# Allegro board SDHCalFEB.brd (continued)
## Nets (continued)
ESD_SIGNAL12_ASIC_A2: C99.1 R96.2 U77.3(COM)
ESD_SIGNAL12_ASIC_A3: C186.1 R179.2 U142.3(COM)
ESD_SIGNAL12_ASIC_A4: C273.1 R262.2 U207.3(COM)
ESD_SIGNAL12_ASIC_B1: C360.1 R345.2 U272.3(COM)
ESD_SIGNAL12_ASIC_B5: C447.1 R429.2 U337.3(COM)
ESD_SIGNAL12_ASIC_B6: C534.1 R512.2 U402.3(COM)
ESD_SIGNAL12_ASIC_B7: C621.1 R595.2 U467.3(COM)
ESD_SIGNAL12_ASIC_C1: C708.1 R678.2 U532.3(COM)
ESD_SIGNAL12_ASIC_C2: C795.1 R762.2 U597.3(COM)
ESD_SIGNAL12_ASIC_C3: C882.1 R845.2 U662.3(COM)
ESD_SIGNAL12_ASIC_C4: C969.1 R928.2 U727.3(COM)
ESD_SIGNAL12_ASIC_D1: C1056.1 R1011.2 U792.3(COM)
ESD_SIGNAL12_ASIC_D2: C1143.1 R1095.2 U857.3(COM)
ESD_SIGNAL12_ASIC_D3: C1230.1 R1178.2 U922.3(COM)
ESD_SIGNAL12_ASIC_D4: C1317.1 R1261.2 U987.3(COM)
ESD_SIGNAL13_ASIC_A1: C13.1 R13.2 U13.3(COM)
ESD_SIGNAL13_ASIC_A2: C100.1 R97.2 U78.3(COM)
ESD_SIGNAL13_ASIC_A3: C187.1 R180.2 U143.3(COM)
ESD_SIGNAL13_ASIC_B1: C361.1 R346.2 U273.3(COM)
ESD_SIGNAL13_ASIC_B5: C448.1 R430.2 U338.3(COM)
ESD_SIGNAL13_ASIC_B6: C535.1 R513.2 U403.3(COM)
ESD_SIGNAL13_ASIC_C1: C709.1 R679.2 U533.3(COM)
ESD_SIGNAL13_ASIC_C2: C796.1 R763.2 U598.3(COM)
ESD_SIGNAL13_ASIC_C3: C883.1 R846.2 U663.3(COM)
ESD_SIGNAL13_ASIC_D1: C1057.1 R1012.2 U793.3(COM)
ESD_SIGNAL13_ASIC_D2: C1144.1 R1096.2 U858.3(COM)
ESD_SIGNAL13_ASIC_D3: C1231.1 R1179.2 U923.3(COM)
ESD_SIGNAL14_ASIC_A1: C14.1 R14.2 U14.3(COM)
ESD_SIGNAL14_ASIC_A2: C101.1 R98.2 U79.3(COM)
ESD_SIGNAL14_ASIC_A3: C188.1 R181.2 U144.3(COM)
ESD_SIGNAL14_ASIC_B1: C362.1 R347.2 U274.3(COM)
ESD_SIGNAL14_ASIC_B5: C449.1 R431.2 U339.3(COM)
ESD_SIGNAL14_ASIC_B6: C536.1 R514.2 U404.3(COM)
ESD_SIGNAL14_ASIC_C1: C710.1 R680.2 U534.3(COM)
ESD_SIGNAL14_ASIC_C2: C797.1 R764.2 U599.3(COM)
ESD_SIGNAL14_ASIC_C3: C884.1 R847.2 U664.3(COM)
ESD_SIGNAL14_ASIC_D1: C1058.1 R1013.2 U794.3(COM)
ESD_SIGNAL14_ASIC_D2: C1145.1 R1097.2 U859.3(COM)
ESD_SIGNAL14_ASIC_D3: C1232.1 R1180.2 U924.3(COM)
ESD_SIGNAL15_ASIC_A1: C15.1 R15.2 U15.3(COM)
ESD_SIGNAL15_ASIC_A2: C102.1 R99.2 U80.3(COM)
ESD_SIGNAL15_ASIC_A3: C189.1 R182.2 U145.3(COM)
ESD_SIGNAL15_ASIC_A4: C276.1 R265.2 U210.3(COM)
ESD_SIGNAL15_ASIC_B1: C363.1 R348.2 U275.3(COM)
ESD_SIGNAL15_ASIC_B5: C450.1 R432.2 U340.3(COM)
ESD_SIGNAL15_ASIC_B6: C537.1 R515.2 U405.3(COM)
ESD_SIGNAL15_ASIC_B7: C624.1 R598.2 U470.3(COM)
ESD_SIGNAL15_ASIC_C1: C711.1 R681.2 U535.3(COM)
ESD_SIGNAL15_ASIC_C2: C798.1 R765.2 U600.3(COM)
ESD_SIGNAL15_ASIC_C3: C885.1 R848.2 U665.3(COM)
ESD_SIGNAL15_ASIC_C4: C972.1 R931.2 U730.3(COM)
ESD_SIGNAL15_ASIC_D1: C1059.1 R1014.2 U795.3(COM)
ESD_SIGNAL15_ASIC_D2: C1146.1 R1098.2 U860.3(COM)
ESD_SIGNAL15_ASIC_D3: C1233.1 R1181.2 U925.3(COM)
ESD_SIGNAL15_ASIC_D4: C1320.1 R1264.2 U990.3(COM)
ESD_SIGNAL16_ASIC_A1: C16.1 R16.2 U16.3(COM)
ESD_SIGNAL16_ASIC_A2: C103.1 R100.2 U81.3(COM)
ESD_SIGNAL16_ASIC_A3: C190.1 R183.2 U146.3(COM)
ESD_SIGNAL16_ASIC_B1: C364.1 R349.2 U276.3(COM)
ESD_SIGNAL16_ASIC_B5: C451.1 R433.2 U341.3(COM)
ESD_SIGNAL16_ASIC_B6: C538.1 R516.2 U406.3(COM)
ESD_SIGNAL16_ASIC_C1: C712.1 R682.2 U536.3(COM)
ESD_SIGNAL16_ASIC_C2: C799.1 R766.2 U601.3(COM)
ESD_SIGNAL16_ASIC_C3: C886.1 R849.2 U666.3(COM)
ESD_SIGNAL16_ASIC_D1: C1060.1 R1015.2 U796.3(COM)
ESD_SIGNAL16_ASIC_D2: C1147.1 R1099.2 U861.3(COM)
ESD_SIGNAL16_ASIC_D3: C1234.1 R1182.2 U926.3(COM)
ESD_SIGNAL17_ASIC_A1: C17.1 R17.2 U17.3(COM)
ESD_SIGNAL17_ASIC_A2: C104.1 R101.2 U82.3(COM)
ESD_SIGNAL17_ASIC_A3: C191.1 R184.2 U147.3(COM)
ESD_SIGNAL17_ASIC_B1: C365.1 R350.2 U277.3(COM)
ESD_SIGNAL17_ASIC_B5: C452.1 R434.2 U342.3(COM)
ESD_SIGNAL17_ASIC_B6: C539.1 R517.2 U407.3(COM)
ESD_SIGNAL17_ASIC_C1: C713.1 R683.2 U537.3(COM)
ESD_SIGNAL17_ASIC_C2: C800.1 R767.2 U602.3(COM)
ESD_SIGNAL17_ASIC_C3: C887.1 R850.2 U667.3(COM)
ESD_SIGNAL17_ASIC_D1: C1061.1 R1016.2 U797.3(COM)
ESD_SIGNAL17_ASIC_D2: C1148.1 R1100.2 U862.3(COM)
ESD_SIGNAL17_ASIC_D3: C1235.1 R1183.2 U927.3(COM)
ESD_SIGNAL18_ASIC_A1: C18.1 R18.2 U18.3(COM)
ESD_SIGNAL18_ASIC_A2: C105.1 R102.2 U83.3(COM)
ESD_SIGNAL18_ASIC_A3: C192.1 R185.2 U148.3(COM)
ESD_SIGNAL18_ASIC_A4: C279.1 R268.2 U213.3(COM)
ESD_SIGNAL18_ASIC_B1: C366.1 R351.2 U278.3(COM)
ESD_SIGNAL18_ASIC_B5: C453.1 R435.2 U343.3(COM)
ESD_SIGNAL18_ASIC_B6: C540.1 R518.2 U408.3(COM)
ESD_SIGNAL18_ASIC_B7: C627.1 R601.2 U473.3(COM)
ESD_SIGNAL18_ASIC_C1: C714.1 R684.2 U538.3(COM)
ESD_SIGNAL18_ASIC_C2: C801.1 R768.2 U603.3(COM)
ESD_SIGNAL18_ASIC_C3: C888.1 R851.2 U668.3(COM)
ESD_SIGNAL18_ASIC_C4: C975.1 R934.2 U733.3(COM)
ESD_SIGNAL18_ASIC_D1: C1062.1 R1017.2 U798.3(COM)
ESD_SIGNAL18_ASIC_D2: C1149.1 R1101.2 U863.3(COM)
ESD_SIGNAL18_ASIC_D3: C1236.1 R1184.2 U928.3(COM)
ESD_SIGNAL18_ASIC_D4: C1323.1 R1267.2 U993.3(COM)
ESD_SIGNAL19_ASIC_A1: C19.1 R19.2 U19.3(COM)
ESD_SIGNAL19_ASIC_A2: C106.1 R103.2 U84.3(COM)
ESD_SIGNAL19_ASIC_A3: C193.1 R186.2 U149.3(COM)
ESD_SIGNAL19_ASIC_B1: C367.1 R352.2 U279.3(COM)
ESD_SIGNAL19_ASIC_B5: C454.1 R436.2 U344.3(COM)
ESD_SIGNAL19_ASIC_B6: C541.1 R519.2 U409.3(COM)
ESD_SIGNAL19_ASIC_C1: C715.1 R685.2 U539.3(COM)
ESD_SIGNAL19_ASIC_C2: C802.1 R769.2 U604.3(COM)
ESD_SIGNAL19_ASIC_C3: C889.1 R852.2 U669.3(COM)
ESD_SIGNAL19_ASIC_D1: C1063.1 R1018.2 U799.3(COM)
ESD_SIGNAL19_ASIC_D2: C1150.1 R1102.2 U864.3(COM)
ESD_SIGNAL19_ASIC_D3: C1237.1 R1185.2 U929.3(COM)
ESD_SIGNAL20_ASIC_A1: C20.1 R20.2 U20.3(COM)
ESD_SIGNAL20_ASIC_A2: C107.1 R104.2 U85.3(COM)
ESD_SIGNAL20_ASIC_A3: C194.1 R187.2 U150.3(COM)
ESD_SIGNAL20_ASIC_B1: C368.1 R353.2 U280.3(COM)
ESD_SIGNAL20_ASIC_B5: C455.1 R437.2 U345.3(COM)
ESD_SIGNAL20_ASIC_B6: C542.1 R520.2 U410.3(COM)
ESD_SIGNAL20_ASIC_C1: C716.1 R686.2 U540.3(COM)
ESD_SIGNAL20_ASIC_C2: C803.1 R770.2 U605.3(COM)
ESD_SIGNAL20_ASIC_C3: C890.1 R853.2 U670.3(COM)
ESD_SIGNAL20_ASIC_D1: C1064.1 R1019.2 U800.3(COM)
ESD_SIGNAL20_ASIC_D2: C1151.1 R1103.2 U865.3(COM)
ESD_SIGNAL20_ASIC_D3: C1238.1 R1186.2 U930.3(COM)
ESD_SIGNAL21_ASIC_A1: C21.1 R21.2 U21.3(COM)
ESD_SIGNAL21_ASIC_A2: C108.1 R105.2 U86.3(COM)
ESD_SIGNAL21_ASIC_A3: C195.1 R188.2 U151.3(COM)
ESD_SIGNAL21_ASIC_A4: C282.1 R271.2 U216.3(COM)
ESD_SIGNAL21_ASIC_B1: C369.1 R354.2 U281.3(COM)
ESD_SIGNAL21_ASIC_B5: C456.1 R438.2 U346.3(COM)
ESD_SIGNAL21_ASIC_B6: C543.1 R521.2 U411.3(COM)
ESD_SIGNAL21_ASIC_B7: C630.1 R604.2 U476.3(COM)
ESD_SIGNAL21_ASIC_C1: C717.1 R687.2 U541.3(COM)
ESD_SIGNAL21_ASIC_C2: C804.1 R771.2 U606.3(COM)
ESD_SIGNAL21_ASIC_C3: C891.1 R854.2 U671.3(COM)
ESD_SIGNAL21_ASIC_C4: C978.1 R937.2 U736.3(COM)
ESD_SIGNAL21_ASIC_D1: C1065.1 R1020.2 U801.3(COM)
ESD_SIGNAL21_ASIC_D2: C1152.1 R1104.2 U866.3(COM)
ESD_SIGNAL21_ASIC_D3: C1239.1 R1187.2 U931.3(COM)
ESD_SIGNAL21_ASIC_D4: C1326.1 R1270.2 U996.3(COM)
ESD_SIGNAL22_ASIC_A1: C22.1 R22.2 U22.3(COM)
ESD_SIGNAL22_ASIC_A2: C109.1 R106.2 U87.3(COM)
ESD_SIGNAL22_ASIC_A3: C196.1 R189.2 U152.3(COM)
ESD_SIGNAL22_ASIC_A4: C283.1 R272.2 U217.3(COM)
ESD_SIGNAL22_ASIC_B1: C370.1 R355.2 U282.3(COM)
ESD_SIGNAL22_ASIC_B5: C457.1 R439.2 U347.3(COM)
ESD_SIGNAL22_ASIC_B6: C544.1 R522.2 U412.3(COM)
ESD_SIGNAL22_ASIC_B7: C631.1 R605.2 U477.3(COM)
ESD_SIGNAL22_ASIC_C1: C718.1 R688.2 U542.3(COM)
ESD_SIGNAL22_ASIC_C2: C805.1 R772.2 U607.3(COM)
ESD_SIGNAL22_ASIC_C3: C892.1 R855.2 U672.3(COM)
ESD_SIGNAL22_ASIC_C4: C979.1 R938.2 U737.3(COM)
ESD_SIGNAL22_ASIC_D1: C1066.1 R1021.2 U802.3(COM)
ESD_SIGNAL22_ASIC_D2: C1153.1 R1105.2 U867.3(COM)
ESD_SIGNAL22_ASIC_D3: C1240.1 R1188.2 U932.3(COM)
ESD_SIGNAL22_ASIC_D4: C1327.1 R1271.2 U997.3(COM)
ESD_SIGNAL23_ASIC_A1: C23.1 R23.2 U23.3(COM)
ESD_SIGNAL23_ASIC_A2: C110.1 R107.2 U88.3(COM)
ESD_SIGNAL23_ASIC_A3: C197.1 R190.2 U153.3(COM)
ESD_SIGNAL23_ASIC_A4: C284.1 R273.2 U218.3(COM)
ESD_SIGNAL23_ASIC_B1: C371.1 R356.2 U283.3(COM)
ESD_SIGNAL23_ASIC_B5: C458.1 R440.2 U348.3(COM)
ESD_SIGNAL23_ASIC_B6: C545.1 R523.2 U413.3(COM)
ESD_SIGNAL23_ASIC_B7: C632.1 R606.2 U478.3(COM)
ESD_SIGNAL23_ASIC_C1: C719.1 R689.2 U543.3(COM)
ESD_SIGNAL23_ASIC_C2: C806.1 R773.2 U608.3(COM)
ESD_SIGNAL23_ASIC_C3: C893.1 R856.2 U673.3(COM)
ESD_SIGNAL23_ASIC_C4: C980.1 R939.2 U738.3(COM)
ESD_SIGNAL23_ASIC_D1: C1067.1 R1022.2 U803.3(COM)
ESD_SIGNAL23_ASIC_D2: C1154.1 R1106.2 U868.3(COM)
ESD_SIGNAL23_ASIC_D3: C1241.1 R1189.2 U933.3(COM)
ESD_SIGNAL23_ASIC_D4: C1328.1 R1272.2 U998.3(COM)
ESD_SIGNAL24_ASIC_A1: C24.1 R24.2 U24.3(COM)
ESD_SIGNAL24_ASIC_A2: C111.1 R108.2 U89.3(COM)
ESD_SIGNAL24_ASIC_A3: C198.1 R191.2 U154.3(COM)
ESD_SIGNAL24_ASIC_A4: C285.1 R274.2 U219.3(COM)
ESD_SIGNAL24_ASIC_B1: C372.1 R357.2 U284.3(COM)
ESD_SIGNAL24_ASIC_B5: C459.1 R441.2 U349.3(COM)
ESD_SIGNAL24_ASIC_B6: C546.1 R524.2 U414.3(COM)
ESD_SIGNAL24_ASIC_B7: C633.1 R607.2 U479.3(COM)
ESD_SIGNAL24_ASIC_C1: C720.1 R690.2 U544.3(COM)
ESD_SIGNAL24_ASIC_C2: C807.1 R774.2 U609.3(COM)
ESD_SIGNAL24_ASIC_C3: C894.1 R857.2 U674.3(COM)
ESD_SIGNAL24_ASIC_C4: C981.1 R940.2 U739.3(COM)
ESD_SIGNAL24_ASIC_D1: C1068.1 R1023.2 U804.3(COM)
ESD_SIGNAL24_ASIC_D2: C1155.1 R1107.2 U869.3(COM)
ESD_SIGNAL24_ASIC_D3: C1242.1 R1190.2 U934.3(COM)
ESD_SIGNAL24_ASIC_D4: C1329.1 R1273.2 U999.3(COM)
ESD_SIGNAL25_ASIC_A1: C25.1 R25.2 U25.3(COM)
ESD_SIGNAL25_ASIC_A2: C112.1 R109.2 U90.3(COM)
ESD_SIGNAL25_ASIC_A3: C199.1 R192.2 U155.3(COM)
ESD_SIGNAL25_ASIC_A4: C286.1 R275.2 U220.3(COM)
ESD_SIGNAL25_ASIC_B1: C373.1 R358.2 U285.3(COM)
ESD_SIGNAL25_ASIC_B5: C460.1 R442.2 U350.3(COM)
ESD_SIGNAL25_ASIC_B6: C547.1 R525.2 U415.3(COM)
ESD_SIGNAL25_ASIC_B7: C634.1 R608.2 U480.3(COM)
ESD_SIGNAL25_ASIC_C1: C721.1 R691.2 U545.3(COM)
ESD_SIGNAL25_ASIC_C2: C808.1 R775.2 U610.3(COM)
ESD_SIGNAL25_ASIC_C3: C895.1 R858.2 U675.3(COM)
ESD_SIGNAL25_ASIC_C4: C982.1 R941.2 U740.3(COM)
ESD_SIGNAL25_ASIC_D1: C1069.1 R1024.2 U805.3(COM)
ESD_SIGNAL25_ASIC_D2: C1156.1 R1108.2 U870.3(COM)
ESD_SIGNAL25_ASIC_D3: C1243.1 R1191.2 U935.3(COM)
ESD_SIGNAL25_ASIC_D4: C1330.1 R1274.2 U1000.3(COM)
ESD_SIGNAL26_ASIC_A1: C26.1 R26.2 U26.3(COM)
ESD_SIGNAL26_ASIC_A2: C113.1 R110.2 U91.3(COM)
ESD_SIGNAL26_ASIC_A3: C200.1 R193.2 U156.3(COM)
ESD_SIGNAL26_ASIC_A4: C287.1 R276.2 U221.3(COM)
ESD_SIGNAL26_ASIC_B1: C374.1 R359.2 U286.3(COM)
ESD_SIGNAL26_ASIC_B5: C461.1 R443.2 U351.3(COM)
ESD_SIGNAL26_ASIC_B6: C548.1 R526.2 U416.3(COM)
ESD_SIGNAL26_ASIC_B7: C635.1 R609.2 U481.3(COM)
ESD_SIGNAL26_ASIC_C1: C722.1 R692.2 U546.3(COM)
ESD_SIGNAL26_ASIC_C2: C809.1 R776.2 U611.3(COM)
ESD_SIGNAL26_ASIC_C3: C896.1 R859.2 U676.3(COM)
ESD_SIGNAL26_ASIC_C4: C983.1 R942.2 U741.3(COM)
ESD_SIGNAL26_ASIC_D1: C1070.1 R1025.2 U806.3(COM)
ESD_SIGNAL26_ASIC_D2: C1157.1 R1109.2 U871.3(COM)
ESD_SIGNAL26_ASIC_D3: C1244.1 R1192.2 U936.3(COM)
ESD_SIGNAL26_ASIC_D4: C1331.1 R1275.2 U1001.3(COM)
ESD_SIGNAL27_ASIC_A1: C27.1 R27.2 U27.3(COM)
ESD_SIGNAL27_ASIC_A2: C114.1 R111.2 U92.3(COM)
ESD_SIGNAL27_ASIC_A3: C201.1 R194.2 U157.3(COM)
ESD_SIGNAL27_ASIC_A4: C288.1 R277.2 U222.3(COM)
ESD_SIGNAL27_ASIC_B1: C375.1 R360.2 U287.3(COM)
ESD_SIGNAL27_ASIC_B5: C462.1 R444.2 U352.3(COM)
ESD_SIGNAL27_ASIC_B6: C549.1 R527.2 U417.3(COM)
ESD_SIGNAL27_ASIC_B7: C636.1 R610.2 U482.3(COM)
ESD_SIGNAL27_ASIC_C1: C723.1 R693.2 U547.3(COM)
ESD_SIGNAL27_ASIC_C2: C810.1 R777.2 U612.3(COM)
ESD_SIGNAL27_ASIC_C3: C897.1 R860.2 U677.3(COM)
ESD_SIGNAL27_ASIC_C4: C984.1 R943.2 U742.3(COM)
ESD_SIGNAL27_ASIC_D1: C1071.1 R1026.2 U807.3(COM)
ESD_SIGNAL27_ASIC_D2: C1158.1 R1110.2 U872.3(COM)
ESD_SIGNAL27_ASIC_D3: C1245.1 R1193.2 U937.3(COM)
ESD_SIGNAL27_ASIC_D4: C1332.1 R1276.2 U1002.3(COM)
ESD_SIGNAL28_ASIC_A1: C28.1 R28.2 U28.3(COM)
ESD_SIGNAL28_ASIC_A2: C115.1 R112.2 U93.3(COM)
ESD_SIGNAL28_ASIC_A3: C202.1 R195.2 U158.3(COM)
ESD_SIGNAL28_ASIC_A4: C289.1 R278.2 U223.3(COM)
ESD_SIGNAL28_ASIC_B1: C376.1 R361.2 U288.3(COM)
ESD_SIGNAL28_ASIC_B5: C463.1 R445.2 U353.3(COM)
ESD_SIGNAL28_ASIC_B6: C550.1 R528.2 U418.3(COM)
ESD_SIGNAL28_ASIC_B7: C637.1 R611.2 U483.3(COM)
ESD_SIGNAL28_ASIC_C1: C724.1 R694.2 U548.3(COM)
ESD_SIGNAL28_ASIC_C2: C811.1 R778.2 U613.3(COM)
ESD_SIGNAL28_ASIC_C3: C898.1 R861.2 U678.3(COM)
ESD_SIGNAL28_ASIC_C4: C985.1 R944.2 U743.3(COM)
ESD_SIGNAL28_ASIC_D1: C1072.1 R1027.2 U808.3(COM)
ESD_SIGNAL28_ASIC_D2: C1159.1 R1111.2 U873.3(COM)
ESD_SIGNAL28_ASIC_D3: C1246.1 R1194.2 U938.3(COM)
ESD_SIGNAL28_ASIC_D4: C1333.1 R1277.2 U1003.3(COM)
ESD_SIGNAL29_ASIC_A1: C29.1 R29.2 U29.3(COM)
ESD_SIGNAL29_ASIC_A2: C116.1 R113.2 U94.3(COM)
ESD_SIGNAL29_ASIC_A3: C203.1 R196.2 U159.3(COM)
ESD_SIGNAL29_ASIC_A4: C290.1 R279.2 U224.3(COM)
ESD_SIGNAL29_ASIC_B1: C377.1 R362.2 U289.3(COM)
ESD_SIGNAL29_ASIC_B5: C464.1 R446.2 U354.3(COM)
ESD_SIGNAL29_ASIC_B6: C551.1 R529.2 U419.3(COM)
ESD_SIGNAL29_ASIC_B7: C638.1 R612.2 U484.3(COM)
ESD_SIGNAL29_ASIC_C1: C725.1 R695.2 U549.3(COM)
ESD_SIGNAL29_ASIC_C2: C812.1 R779.2 U614.3(COM)
ESD_SIGNAL29_ASIC_C3: C899.1 R862.2 U679.3(COM)
ESD_SIGNAL29_ASIC_C4: C986.1 R945.2 U744.3(COM)
ESD_SIGNAL29_ASIC_D1: C1073.1 R1028.2 U809.3(COM)
ESD_SIGNAL29_ASIC_D2: C1160.1 R1112.2 U874.3(COM)
ESD_SIGNAL29_ASIC_D3: C1247.1 R1195.2 U939.3(COM)
ESD_SIGNAL29_ASIC_D4: C1334.1 R1278.2 U1004.3(COM)
ESD_SIGNAL30_ASIC_A1: C30.1 R30.2 U30.3(COM)
ESD_SIGNAL30_ASIC_A2: C117.1 R114.2 U95.3(COM)
ESD_SIGNAL30_ASIC_A3: C204.1 R197.2 U160.3(COM)
ESD_SIGNAL30_ASIC_B1: C378.1 R363.2 U290.3(COM)
ESD_SIGNAL30_ASIC_B5: C465.1 R447.2 U355.3(COM)
ESD_SIGNAL30_ASIC_B6: C552.1 R530.2 U420.3(COM)
ESD_SIGNAL30_ASIC_C1: C726.1 R696.2 U550.3(COM)
ESD_SIGNAL30_ASIC_C2: C813.1 R780.2 U615.3(COM)
ESD_SIGNAL30_ASIC_C3: C900.1 R863.2 U680.3(COM)
ESD_SIGNAL30_ASIC_D1: C1074.1 R1029.2 U810.3(COM)
ESD_SIGNAL30_ASIC_D2: C1161.1 R1113.2 U875.3(COM)
ESD_SIGNAL30_ASIC_D3: C1248.1 R1196.2 U940.3(COM)
ESD_SIGNAL31_ASIC_A1: C31.1 R31.2 U31.3(COM)
ESD_SIGNAL31_ASIC_A2: C118.1 R115.2 U96.3(COM)
ESD_SIGNAL31_ASIC_A3: C205.1 R198.2 U161.3(COM)
ESD_SIGNAL31_ASIC_A4: C292.1 R281.2 U226.3(COM)
ESD_SIGNAL31_ASIC_B1: C379.1 R364.2 U291.3(COM)
ESD_SIGNAL31_ASIC_B5: C466.1 R448.2 U356.3(COM)
ESD_SIGNAL31_ASIC_B6: C553.1 R531.2 U421.3(COM)
ESD_SIGNAL31_ASIC_B7: C640.1 R614.2 U486.3(COM)
ESD_SIGNAL31_ASIC_C1: C727.1 R697.2 U551.3(COM)
ESD_SIGNAL31_ASIC_C2: C814.1 R781.2 U616.3(COM)
ESD_SIGNAL31_ASIC_C3: C901.1 R864.2 U681.3(COM)
ESD_SIGNAL31_ASIC_C4: C988.1 R947.2 U746.3(COM)
ESD_SIGNAL31_ASIC_D1: C1075.1 R1030.2 U811.3(COM)
ESD_SIGNAL31_ASIC_D2: C1162.1 R1114.2 U876.3(COM)
ESD_SIGNAL31_ASIC_D3: C1249.1 R1197.2 U941.3(COM)
ESD_SIGNAL31_ASIC_D4: C1336.1 R1280.2 U1006.3(COM)
ESD_SIGNAL32_ASIC_A1: C32.1 R32.2 U32.3(COM)
ESD_SIGNAL32_ASIC_A2: C119.1 R116.2 U97.3(COM)
ESD_SIGNAL32_ASIC_A3: C206.1 R199.2 U162.3(COM)
ESD_SIGNAL32_ASIC_B1: C380.1 R365.2 U292.3(COM)
ESD_SIGNAL32_ASIC_B5: C467.1 R449.2 U357.3(COM)
ESD_SIGNAL32_ASIC_B6: C554.1 R532.2 U422.3(COM)
ESD_SIGNAL32_ASIC_C1: C728.1 R698.2 U552.3(COM)
ESD_SIGNAL32_ASIC_C2: C815.1 R782.2 U617.3(COM)
ESD_SIGNAL32_ASIC_C3: C902.1 R865.2 U682.3(COM)
ESD_SIGNAL32_ASIC_D1: C1076.1 R1031.2 U812.3(COM)
ESD_SIGNAL32_ASIC_D2: C1163.1 R1115.2 U877.3(COM)
ESD_SIGNAL32_ASIC_D3: C1250.1 R1198.2 U942.3(COM)
ESD_SIGNAL33_ASIC_A1: C33.1 R33.2 U33.3(COM)
ESD_SIGNAL33_ASIC_A2: C120.1 R117.2 U98.3(COM)
ESD_SIGNAL33_ASIC_A3: C207.1 R200.2 U163.3(COM)
ESD_SIGNAL33_ASIC_B1: C381.1 R366.2 U293.3(COM)
ESD_SIGNAL33_ASIC_B5: C468.1 R450.2 U358.3(COM)
ESD_SIGNAL33_ASIC_B6: C555.1 R533.2 U423.3(COM)
ESD_SIGNAL33_ASIC_C1: C729.1 R699.2 U553.3(COM)
ESD_SIGNAL33_ASIC_C2: C816.1 R783.2 U618.3(COM)
ESD_SIGNAL33_ASIC_C3: C903.1 R866.2 U683.3(COM)
ESD_SIGNAL33_ASIC_D1: C1077.1 R1032.2 U813.3(COM)
ESD_SIGNAL33_ASIC_D2: C1164.1 R1116.2 U878.3(COM)
ESD_SIGNAL33_ASIC_D3: C1251.1 R1199.2 U943.3(COM)
ESD_SIGNAL34_ASIC_A1: C34.1 R34.2 U34.3(COM)
ESD_SIGNAL34_ASIC_A2: C121.1 R118.2 U99.3(COM)
ESD_SIGNAL34_ASIC_A3: C208.1 R201.2 U164.3(COM)
ESD_SIGNAL34_ASIC_A4: C295.1 R284.2 U229.3(COM)
ESD_SIGNAL34_ASIC_B1: C382.1 R367.2 U294.3(COM)
ESD_SIGNAL34_ASIC_B5: C469.1 R451.2 U359.3(COM)
ESD_SIGNAL34_ASIC_B6: C556.1 R534.2 U424.3(COM)
ESD_SIGNAL34_ASIC_B7: C643.1 R617.2 U489.3(COM)
ESD_SIGNAL34_ASIC_C1: C730.1 R700.2 U554.3(COM)
ESD_SIGNAL34_ASIC_C2: C817.1 R784.2 U619.3(COM)
ESD_SIGNAL34_ASIC_C3: C904.1 R867.2 U684.3(COM)
ESD_SIGNAL34_ASIC_C4: C991.1 R950.2 U749.3(COM)
ESD_SIGNAL35_ASIC_A1: C35.1 R35.2 U35.3(COM)
ESD_SIGNAL35_ASIC_A2: C122.1 R119.2 U100.3(COM)
ESD_SIGNAL35_ASIC_A3: C209.1 R202.2 U165.3(COM)
ESD_SIGNAL35_ASIC_B1: C383.1 R368.2 U295.3(COM)
ESD_SIGNAL35_ASIC_B5: C470.1 R452.2 U360.3(COM)
ESD_SIGNAL35_ASIC_B6: C557.1 R535.2 U425.3(COM)
ESD_SIGNAL35_ASIC_C1: C731.1 R701.2 U555.3(COM)
ESD_SIGNAL35_ASIC_C2: C818.1 R785.2 U620.3(COM)
ESD_SIGNAL35_ASIC_C3: C905.1 R868.2 U685.3(COM)
ESD_SIGNAL35_ASIC_D1: C1079.1 R1034.2 U815.3(COM)
ESD_SIGNAL35_ASIC_D2: C1166.1 R1118.2 U880.3(COM)
ESD_SIGNAL35_ASIC_D3: C1253.1 R1201.2 U945.3(COM)
ESD_SIGNAL35_ASIC_D4: C1340.1 R1284.2 U1010.3(COM)
ESD_SIGNAL36_ASIC_A1: C36.1 R36.2 U36.3(COM)
ESD_SIGNAL36_ASIC_A2: C123.1 R120.2 U101.3(COM)
ESD_SIGNAL36_ASIC_A3: C210.1 R203.2 U166.3(COM)
ESD_SIGNAL36_ASIC_A4: C297.1 R286.2 U231.3(COM)
ESD_SIGNAL36_ASIC_B1: C384.1 R369.2 U296.3(COM)
ESD_SIGNAL36_ASIC_B5: C471.1 R453.2 U361.3(COM)
ESD_SIGNAL36_ASIC_B6: C558.1 R536.2 U426.3(COM)
ESD_SIGNAL36_ASIC_B7: C645.1 R619.2 U491.3(COM)
ESD_SIGNAL36_ASIC_C1: C732.1 R702.2 U556.3(COM)
ESD_SIGNAL36_ASIC_C2: C819.1 R786.2 U621.3(COM)
ESD_SIGNAL36_ASIC_C3: C906.1 R869.2 U686.3(COM)
ESD_SIGNAL36_ASIC_C4: C993.1 R952.2 U751.3(COM)
ESD_SIGNAL37_ASIC_A1: C37.1 R37.2 U37.3(COM)
ESD_SIGNAL37_ASIC_A2: C124.1 R121.2 U102.3(COM)
ESD_SIGNAL37_ASIC_A3: C211.1 R204.2 U167.3(COM)
ESD_SIGNAL37_ASIC_A4: C298.1 R287.2 U232.3(COM)
ESD_SIGNAL37_ASIC_B1: C385.1 R370.2 U297.3(COM)
ESD_SIGNAL37_ASIC_B5: C472.1 R454.2 U362.3(COM)
ESD_SIGNAL37_ASIC_B6: C559.1 R537.2 U427.3(COM)
ESD_SIGNAL37_ASIC_B7: C646.1 R620.2 U492.3(COM)
ESD_SIGNAL37_ASIC_C1: C733.1 R703.2 U557.3(COM)
ESD_SIGNAL37_ASIC_C2: C820.1 R787.2 U622.3(COM)
ESD_SIGNAL37_ASIC_C3: C907.1 R870.2 U687.3(COM)
ESD_SIGNAL37_ASIC_C4: C994.1 R953.2 U752.3(COM)
ESD_SIGNAL38_ASIC_A1: C38.1 R38.2 U38.3(COM)
ESD_SIGNAL38_ASIC_A2: C125.1 R122.2 U103.3(COM)
ESD_SIGNAL38_ASIC_A3: C212.1 R205.2 U168.3(COM)
ESD_SIGNAL38_ASIC_A4: C299.1 R288.2 U233.3(COM)
ESD_SIGNAL38_ASIC_B1: C386.1 R371.2 U298.3(COM)
ESD_SIGNAL38_ASIC_B5: C473.1 R455.2 U363.3(COM)
ESD_SIGNAL38_ASIC_B6: C560.1 R538.2 U428.3(COM)
ESD_SIGNAL38_ASIC_B7: C647.1 R621.2 U493.3(COM)
ESD_SIGNAL38_ASIC_C1: C734.1 R704.2 U558.3(COM)
ESD_SIGNAL38_ASIC_C2: C821.1 R788.2 U623.3(COM)
ESD_SIGNAL38_ASIC_C3: C908.1 R871.2 U688.3(COM)
ESD_SIGNAL38_ASIC_C4: C995.1 R954.2 U753.3(COM)
ESD_SIGNAL39_ASIC_A1: C39.1 R39.2 U39.3(COM)
ESD_SIGNAL39_ASIC_A2: C126.1 R123.2 U104.3(COM)
ESD_SIGNAL39_ASIC_A3: C213.1 R206.2 U169.3(COM)
ESD_SIGNAL39_ASIC_A4: C300.1 R289.2 U234.3(COM)
ESD_SIGNAL39_ASIC_B1: C387.1 R372.2 U299.3(COM)
ESD_SIGNAL39_ASIC_B5: C474.1 R456.2 U364.3(COM)
ESD_SIGNAL39_ASIC_B6: C561.1 R539.2 U429.3(COM)
ESD_SIGNAL39_ASIC_B7: C648.1 R622.2 U494.3(COM)
ESD_SIGNAL39_ASIC_C1: C735.1 R705.2 U559.3(COM)
ESD_SIGNAL39_ASIC_C2: C822.1 R789.2 U624.3(COM)
ESD_SIGNAL39_ASIC_C3: C909.1 R872.2 U689.3(COM)
ESD_SIGNAL39_ASIC_C4: C996.1 R955.2 U754.3(COM)
ESD_SIGNAL40_ASIC_A1: C40.1 R40.2 U40.3(COM)
ESD_SIGNAL40_ASIC_A2: C127.1 R124.2 U105.3(COM)
ESD_SIGNAL40_ASIC_A3: C214.1 R207.2 U170.3(COM)
ESD_SIGNAL40_ASIC_A4: C301.1 R290.2 U235.3(COM)
ESD_SIGNAL40_ASIC_B1: C388.1 R373.2 U300.3(COM)
ESD_SIGNAL40_ASIC_B5: C475.1 R457.2 U365.3(COM)
ESD_SIGNAL40_ASIC_B6: C562.1 R540.2 U430.3(COM)
ESD_SIGNAL40_ASIC_B7: C649.1 R623.2 U495.3(COM)
ESD_SIGNAL40_ASIC_C1: C736.1 R706.2 U560.3(COM)
ESD_SIGNAL40_ASIC_C2: C823.1 R790.2 U625.3(COM)
ESD_SIGNAL40_ASIC_C3: C910.1 R873.2 U690.3(COM)
ESD_SIGNAL40_ASIC_C4: C997.1 R956.2 U755.3(COM)
ESD_SIGNAL40_ASIC_D1: C1084.1 R1039.2 U820.3(COM)
ESD_SIGNAL40_ASIC_D2: C1171.1 R1123.2 U885.3(COM)
ESD_SIGNAL40_ASIC_D3: C1258.1 R1206.2 U950.3(COM)
ESD_SIGNAL41_ASIC_A1: C41.1 R41.2 U41.3(COM)
ESD_SIGNAL41_ASIC_A2: C128.1 R125.2 U106.3(COM)
ESD_SIGNAL41_ASIC_A3: C215.1 R208.2 U171.3(COM)
ESD_SIGNAL41_ASIC_B1: C389.1 R374.2 U301.3(COM)
ESD_SIGNAL41_ASIC_B5: C476.1 R458.2 U366.3(COM)
ESD_SIGNAL41_ASIC_B6: C563.1 R541.2 U431.3(COM)
ESD_SIGNAL41_ASIC_C1: C737.1 R707.2 U561.3(COM)
ESD_SIGNAL41_ASIC_C2: C824.1 R791.2 U626.3(COM)
ESD_SIGNAL41_ASIC_C3: C911.1 R874.2 U691.3(COM)
ESD_SIGNAL41_ASIC_D1: C1085.1 R1040.2 U821.3(COM)
ESD_SIGNAL41_ASIC_D2: C1172.1 R1124.2 U886.3(COM)
ESD_SIGNAL41_ASIC_D3: C1259.1 R1207.2 U951.3(COM)
ESD_SIGNAL42_ASIC_A1: C42.1 R42.2 U42.3(COM)
ESD_SIGNAL42_ASIC_A2: C129.1 R126.2 U107.3(COM)
ESD_SIGNAL42_ASIC_A3: C216.1 R209.2 U172.3(COM)
ESD_SIGNAL42_ASIC_A4: C303.1 R292.2 U237.3(COM)
ESD_SIGNAL42_ASIC_B1: C390.1 R375.2 U302.3(COM)
ESD_SIGNAL42_ASIC_B5: C477.1 R459.2 U367.3(COM)
ESD_SIGNAL42_ASIC_B6: C564.1 R542.2 U432.3(COM)
ESD_SIGNAL42_ASIC_B7: C651.1 R625.2 U497.3(COM)
ESD_SIGNAL42_ASIC_C1: C738.1 R708.2 U562.3(COM)
ESD_SIGNAL42_ASIC_C2: C825.1 R792.2 U627.3(COM)
ESD_SIGNAL42_ASIC_C3: C912.1 R875.2 U692.3(COM)
ESD_SIGNAL42_ASIC_C4: C999.1 R958.2 U757.3(COM)
ESD_SIGNAL43_ASIC_A1: C43.1 R43.2 U43.3(COM)
ESD_SIGNAL43_ASIC_A2: C130.1 R127.2 U108.3(COM)
ESD_SIGNAL43_ASIC_A3: C217.1 R210.2 U173.3(COM)
ESD_SIGNAL43_ASIC_B1: C391.1 R376.2 U303.3(COM)
ESD_SIGNAL43_ASIC_B5: C478.1 R460.2 U368.3(COM)
ESD_SIGNAL43_ASIC_B6: C565.1 R543.2 U433.3(COM)
ESD_SIGNAL43_ASIC_C1: C739.1 R709.2 U563.3(COM)
ESD_SIGNAL43_ASIC_C2: C826.1 R793.2 U628.3(COM)
ESD_SIGNAL43_ASIC_C3: C913.1 R876.2 U693.3(COM)
ESD_SIGNAL44_ASIC_A1: C44.1 R44.2 U44.3(COM)
ESD_SIGNAL44_ASIC_A2: C131.1 R128.2 U109.3(COM)
ESD_SIGNAL44_ASIC_A3: C218.1 R211.2 U174.3(COM)
ESD_SIGNAL44_ASIC_B1: C392.1 R377.2 U304.3(COM)
ESD_SIGNAL44_ASIC_B5: C479.1 R461.2 U369.3(COM)
ESD_SIGNAL44_ASIC_B6: C566.1 R544.2 U434.3(COM)
ESD_SIGNAL44_ASIC_C1: C740.1 R710.2 U564.3(COM)
ESD_SIGNAL44_ASIC_C2: C827.1 R794.2 U629.3(COM)
ESD_SIGNAL44_ASIC_C3: C914.1 R877.2 U694.3(COM)
ESD_SIGNAL44_ASIC_D1: C1088.1 R1043.2 U824.3(COM)
ESD_SIGNAL44_ASIC_D2: C1175.1 R1127.2 U889.3(COM)
ESD_SIGNAL44_ASIC_D3: C1262.1 R1210.2 U954.3(COM)
ESD_SIGNAL45_ASIC_A1: C45.1 R45.2 U45.3(COM)
ESD_SIGNAL45_ASIC_A2: C132.1 R129.2 U110.3(COM)
ESD_SIGNAL45_ASIC_A3: C219.1 R212.2 U175.3(COM)
ESD_SIGNAL45_ASIC_A4: C306.1 R295.2 U240.3(COM)
ESD_SIGNAL45_ASIC_B1: C393.1 R378.2 U305.3(COM)
ESD_SIGNAL45_ASIC_B5: C480.1 R462.2 U370.3(COM)
ESD_SIGNAL45_ASIC_B6: C567.1 R545.2 U435.3(COM)
ESD_SIGNAL45_ASIC_B7: C654.1 R628.2 U500.3(COM)
ESD_SIGNAL45_ASIC_C1: C741.1 R711.2 U565.3(COM)
ESD_SIGNAL45_ASIC_C2: C828.1 R795.2 U630.3(COM)
ESD_SIGNAL45_ASIC_C3: C915.1 R878.2 U695.3(COM)
ESD_SIGNAL45_ASIC_C4: C1002.1 R961.2 U760.3(COM)
ESD_SIGNAL46_ASIC_A1: C46.1 R46.2 U46.3(COM)
ESD_SIGNAL46_ASIC_A2: C133.1 R130.2 U111.3(COM)
ESD_SIGNAL46_ASIC_A3: C220.1 R213.2 U176.3(COM)
ESD_SIGNAL46_ASIC_B1: C394.1 R379.2 U306.3(COM)
ESD_SIGNAL46_ASIC_B5: C481.1 R463.2 U371.3(COM)
ESD_SIGNAL46_ASIC_B6: C568.1 R546.2 U436.3(COM)
ESD_SIGNAL46_ASIC_C1: C742.1 R712.2 U566.3(COM)
ESD_SIGNAL46_ASIC_C2: C829.1 R796.2 U631.3(COM)
ESD_SIGNAL46_ASIC_C3: C916.1 R879.2 U696.3(COM)
ESD_SIGNAL47_ASIC_A1: C47.1 R47.2 U47.3(COM)
ESD_SIGNAL47_ASIC_A2: C134.1 R131.2 U112.3(COM)
ESD_SIGNAL47_ASIC_A3: C221.1 R214.2 U177.3(COM)
ESD_SIGNAL47_ASIC_A4: C308.1 R297.2 U242.3(COM)
ESD_SIGNAL47_ASIC_B1: C395.1 R380.2 U307.3(COM)
ESD_SIGNAL47_ASIC_B5: C482.1 R464.2 U372.3(COM)
ESD_SIGNAL47_ASIC_B6: C569.1 R547.2 U437.3(COM)
ESD_SIGNAL47_ASIC_B7: C656.1 R630.2 U502.3(COM)
ESD_SIGNAL47_ASIC_C1: C743.1 R713.2 U567.3(COM)
ESD_SIGNAL47_ASIC_C2: C830.1 R797.2 U632.3(COM)
ESD_SIGNAL47_ASIC_C3: C917.1 R880.2 U697.3(COM)
ESD_SIGNAL47_ASIC_C4: C1004.1 R963.2 U762.3(COM)
ESD_SIGNAL48_ASIC_A1: C48.1 R48.2 U48.3(COM)
ESD_SIGNAL48_ASIC_A2: C135.1 R132.2 U113.3(COM)
ESD_SIGNAL48_ASIC_A3: C222.1 R215.2 U178.3(COM)
ESD_SIGNAL48_ASIC_A4: C309.1 R298.2 U243.3(COM)
ESD_SIGNAL48_ASIC_B1: C396.1 R381.2 U308.3(COM)
ESD_SIGNAL48_ASIC_B5: C483.1 R465.2 U373.3(COM)
ESD_SIGNAL48_ASIC_B6: C570.1 R548.2 U438.3(COM)
ESD_SIGNAL48_ASIC_B7: C657.1 R631.2 U503.3(COM)
ESD_SIGNAL48_ASIC_C1: C744.1 R714.2 U568.3(COM)
ESD_SIGNAL48_ASIC_C2: C831.1 R798.2 U633.3(COM)
ESD_SIGNAL48_ASIC_C3: C918.1 R881.2 U698.3(COM)
ESD_SIGNAL48_ASIC_C4: C1005.1 R964.2 U763.3(COM)
ESD_SIGNAL49_ASIC_A1: C49.1 R49.2 U49.3(COM)
ESD_SIGNAL49_ASIC_A2: C136.1 R133.2 U114.3(COM)
ESD_SIGNAL49_ASIC_A3: C223.1 R216.2 U179.3(COM)
ESD_SIGNAL49_ASIC_A4: C310.1 R299.2 U244.3(COM)
ESD_SIGNAL49_ASIC_B1: C397.1 R382.2 U309.3(COM)
ESD_SIGNAL49_ASIC_B5: C484.1 R466.2 U374.3(COM)
ESD_SIGNAL49_ASIC_B6: C571.1 R549.2 U439.3(COM)
ESD_SIGNAL49_ASIC_B7: C658.1 R632.2 U504.3(COM)
ESD_SIGNAL49_ASIC_C1: C745.1 R715.2 U569.3(COM)
ESD_SIGNAL49_ASIC_C2: C832.1 R799.2 U634.3(COM)
ESD_SIGNAL49_ASIC_C3: C919.1 R882.2 U699.3(COM)
ESD_SIGNAL49_ASIC_C4: C1006.1 R965.2 U764.3(COM)
ESD_SIGNAL50_ASIC_A1: C50.1 R50.2 U50.3(COM)
ESD_SIGNAL50_ASIC_A2: C137.1 R134.2 U115.3(COM)
ESD_SIGNAL50_ASIC_A3: C224.1 R217.2 U180.3(COM)
ESD_SIGNAL50_ASIC_A4: C311.1 R300.2 U245.3(COM)
ESD_SIGNAL50_ASIC_B1: C398.1 R383.2 U310.3(COM)
ESD_SIGNAL50_ASIC_B5: C485.1 R467.2 U375.3(COM)
ESD_SIGNAL50_ASIC_B6: C572.1 R550.2 U440.3(COM)
ESD_SIGNAL50_ASIC_B7: C659.1 R633.2 U505.3(COM)
ESD_SIGNAL50_ASIC_C1: C746.1 R716.2 U570.3(COM)
ESD_SIGNAL50_ASIC_C2: C833.1 R800.2 U635.3(COM)
ESD_SIGNAL50_ASIC_C3: C920.1 R883.2 U700.3(COM)
ESD_SIGNAL50_ASIC_C4: C1007.1 R966.2 U765.3(COM)
ESD_SIGNAL50_ASIC_D1: C1094.1 R1049.2 U830.3(COM)
ESD_SIGNAL50_ASIC_D2: C1181.1 R1133.2 U895.3(COM)